# KiCad board sweep-high.kicad_pcb
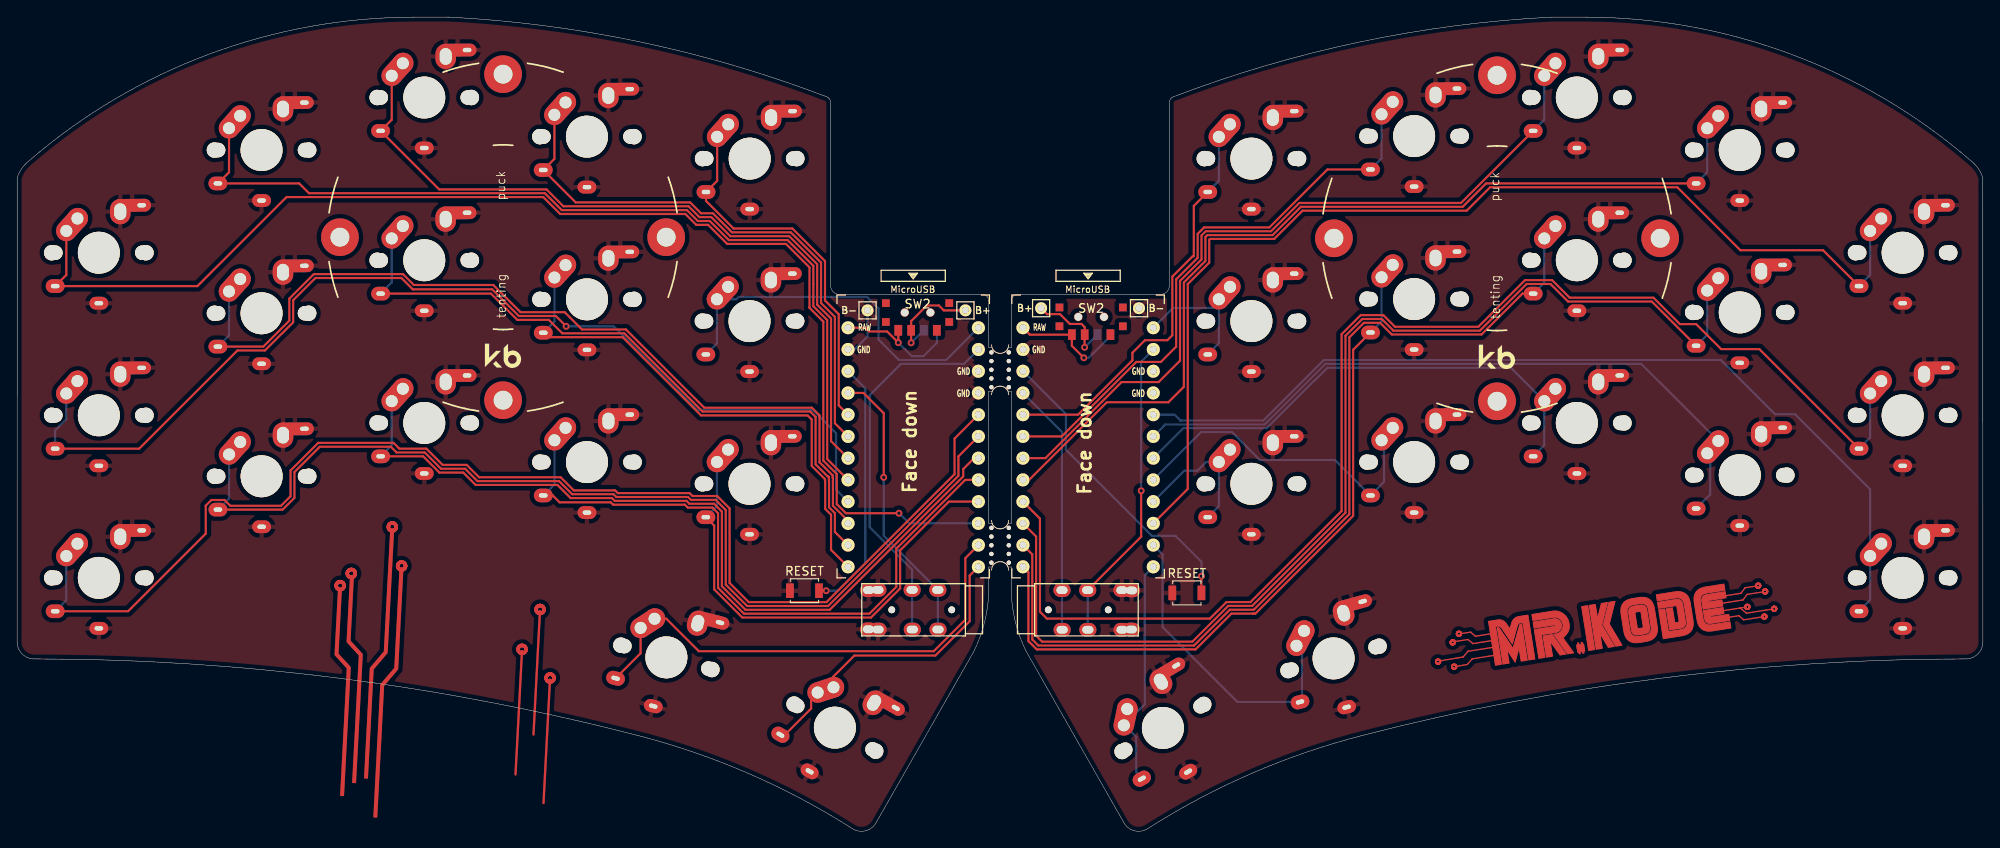
[diagram p0: board, top side]
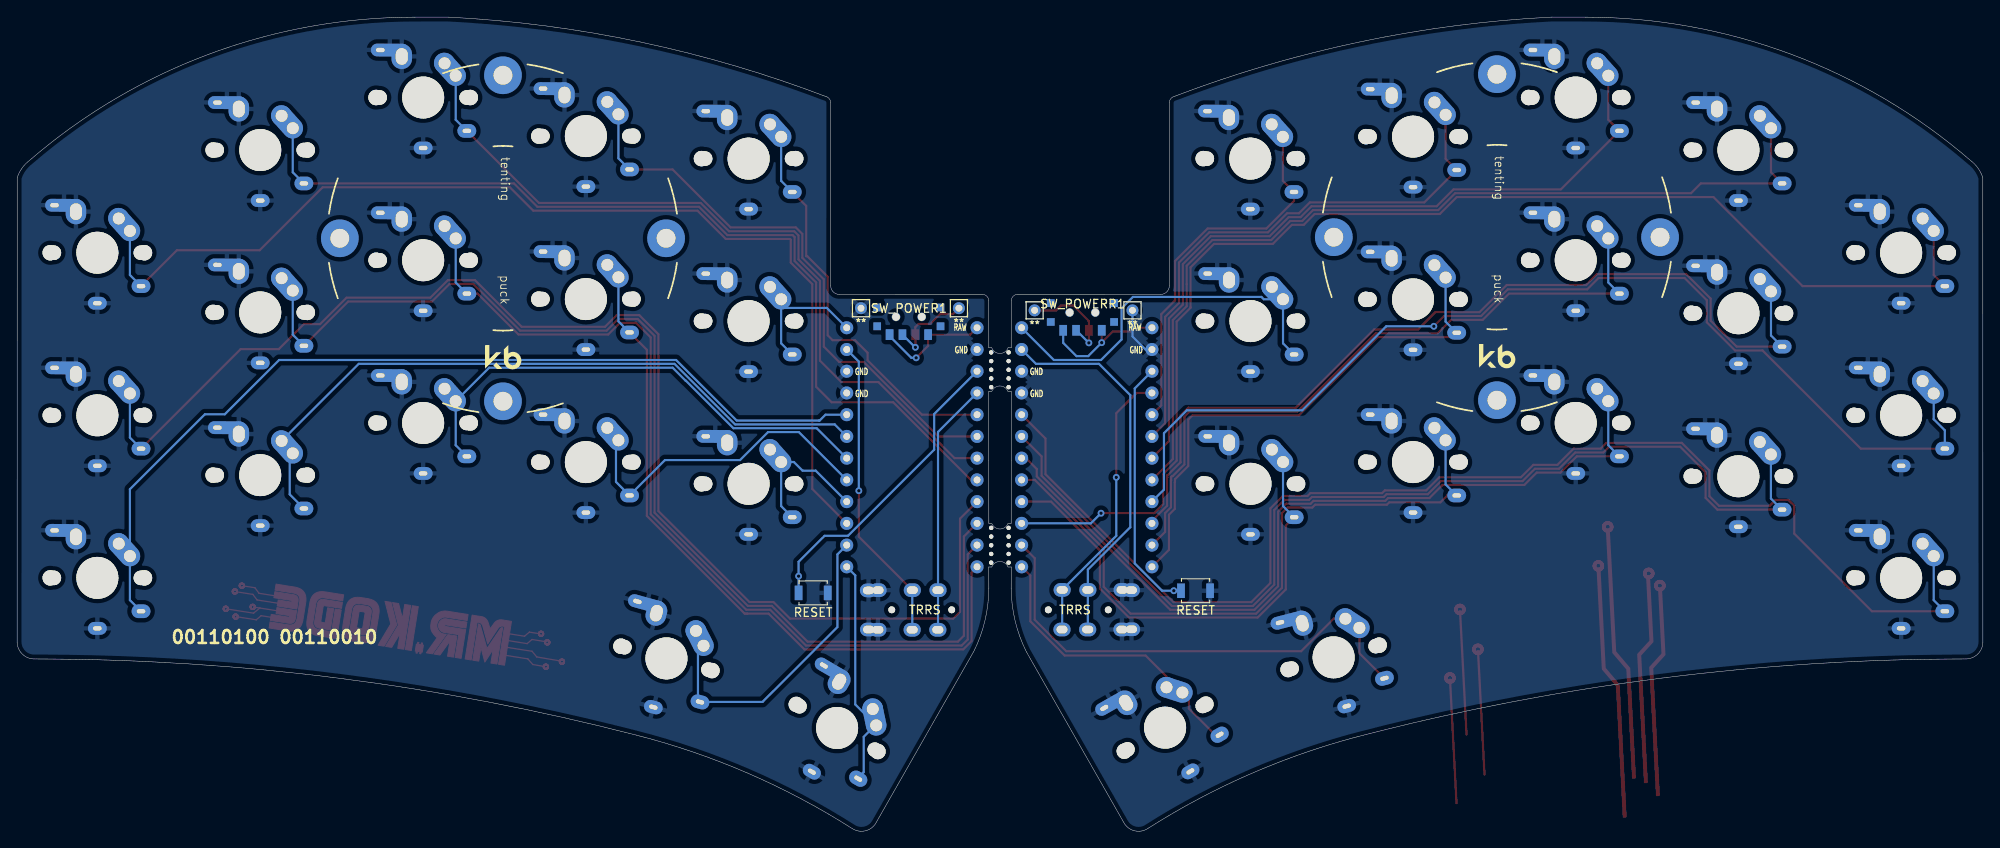
[diagram p1: board, bottom side, seen from below]

Outline 229.54 x 95.11 mm; copper layers: Top, Bottom. Coordinates in mm from the lower left corner of the outline.
Outline path: 0.01,76.33 0,22.03 arc(0.62,20.64) 2.04,20.1 2.31,20.09 arc(37.6,17.84) 72.34,11.18 arc(85.36,6.73) 97.52,0.27 arc(99.01,0) 100.25,0.87 111.7,20.96 arc(113,24.54) 113.47,28.32 113.45,30.84 113.83,30.84 arc(114.78,31.49) 115.74,30.84 116.09,30.84 116.08,28.32 arc(116.53,24.56) 117.82,21 129.29,0.87 arc(130.53,0) 132.02,0.27 arc(144.18,6.73) 157.2,11.19 arc(191.94,17.84) 227.23,20.09 227.51,20.1 arc(228.92,20.64) 229.54,22.03 229.53,76.33 arc(228.98,77.45) 228.11,78.35 arc(207.13,90.78) 183.13,95.1 179.16,95.1 arc(156.7,92.18) 134.97,85.78 arc(134.65,85.5) 134.54,85.1 134.54,63.7 arc(134.25,62.99) 133.54,62.7 116.84,62.7 arc(116.31,62.48) 116.09,61.95 116.08,56.46 115.74,56.46 arc(114.78,55.8) 113.83,56.46 113.47,56.46 113.45,61.95 arc(113.23,62.48) 112.7,62.7 96,62.7 arc(95.29,62.99) 95,63.7 95,85.1 arc(94.89,85.5) 94.57,85.78 arc(72.85,92.18) 50.39,95.11 46.41,95.1 arc(22.41,90.78) 1.43,78.35 arc(0.56,77.45) 0.01,76.33 ; 113.45,51.35 113.45,43.31 113.47,35.94 113.83,35.94 arc(114.78,35.28) 115.74,35.94 116.08,35.94 116.09,43.31 116.09,51.35 115.74,51.35 arc(114.78,52) 113.83,51.35 113.45,51.35
Stack: Top 0.035mm / dielectric 1.51mm FR4 er 4.5 / Bottom 0.035mm

## Placement (name value [footprint] x y rotation side)
B+  MountingHole_Pad  [1pin_conn]  110.73 60.83 0 top
B+#2  MountingHole_Pad  [1pin_conn]  119.57 61.09 0 top
B-  MountingHole_Pad  [1pin_conn]  99.3 60.83 0 top
B-#2  MountingHole_Pad  [1pin_conn]  131 61.09 0 top
G***  LOGO  [ferris_broom]  185.52 23.92 2 top
G***#2  LOGO  [ferris_broom]  49.63 18.84 357 top
J1  AudioJack4dpb  [TRRS-PJ-DPB2]  118.81 25.83 90 top
J2  AudioJack4dpb  [TRRS-PJ-DPB2]  110.73 25.83 270 top
mouse-bite-5mm-slot  VAL**  [mouse-bite-5mm-slot-with-space-for-track]  114.78 53.89 0 top
mouse-bite-5mm-slot#2  VAL**  [mouse-bite-5mm-slot-with-space-for-track]  114.78 33.38 0 top
REF**  Tenting Puck  [Tenting_Puck2]  56.74 69.38 0 top
REF**#2  Tenting Puck  [Tenting_Puck2]  172.81 69.26 0 top
RSW1  SW_Push  [SW_SPST_B3U-1000P]  91.94 28.07 0 top
RSW1#2  SW_Push  [SW_SPST_B3U-1000P]  91.94 28.07 0 bottom
RSW2  SW_Push  [SW_SPST_B3U-1000P]  136.59 27.81 0 top
RSW2#2  SW_Push  [SW_SPST_B3U-1000P]  136.59 27.81 0 bottom
SW2  SW_Push  [keyswitch_cherrymx_alps_choc12_slots_1u]  9.54 67.57 0 top
SW2#2  SW_SPDT  [SPDT_C128955r]  105.14 60.58 0 top
SW2#3  SW_SPDT  [SPDT_C128955r]  125.41 60.07 0 top
SW2_r1  SW_Push  [keyswitch_cherrymx_alps_choc12_slots_1u]  220.17 67.57 0 top
SW3  SW_Push  [keyswitch_cherrymx_alps_choc12_slots_1u]  28.54 79.57 0 top
SW3_r1  SW_Push  [keyswitch_cherrymx_alps_choc12_slots_1u]  201.16 79.57 0 top
SW4  SW_Push  [keyswitch_cherrymx_alps_choc12_slots_1u]  47.54 85.71 0 top
SW4_r1  SW_Push  [keyswitch_cherrymx_alps_choc12_slots_1u]  182.13 85.71 0 top
SW5  SW_Push  [keyswitch_cherrymx_alps_choc12_slots_1u]  66.54 81.14 0 top
SW5_r1  SW_Push  [keyswitch_cherrymx_alps_choc12_slots_1u]  163.13 81.2 0 top
SW6  SW_Push  [keyswitch_cherrymx_alps_choc12_slots_1u]  85.54 78.57 0 top
SW6_r1  SW_Push  [keyswitch_cherrymx_alps_choc12_slots_1u]  144.13 78.57 0 top
SW7_r1  SW_Push  [keyswitch_cherrymx_alps_choc12_slots_1u]  220.17 48.57 0 top
SW8  SW_Push  [keyswitch_cherrymx_alps_choc12_slots_1u]  9.54 48.57 0 top
SW8_r1  SW_Push  [keyswitch_cherrymx_alps_choc12_slots_1u]  201.16 60.59 0 top
SW9  SW_Push  [keyswitch_cherrymx_alps_choc12_slots_1u]  28.54 60.49 0 top
SW9_r1  SW_Push  [keyswitch_cherrymx_alps_choc12_slots_1u]  182.13 66.69 0 top
SW10  SW_Push  [keyswitch_cherrymx_alps_choc12_slots_1u]  47.54 66.69 0 top
SW11  SW_Push  [keyswitch_cherrymx_alps_choc12_slots_1u]  66.54 62.12 0 top
SW11_r1  SW_Push  [keyswitch_cherrymx_alps_choc12_slots_1u]  163.13 62.15 0 top
SW12  SW_Push  [keyswitch_cherrymx_alps_choc12_slots_1u]  85.52 59.58 0 top
SW12_r1  SW_Push  [keyswitch_cherrymx_alps_choc12_slots_1u]  144.13 59.58 0 top
SW13_r1  SW_Push  [keyswitch_cherrymx_alps_choc12_slots_1u]  220.17 29.57 0 top
SW14  SW_Push  [keyswitch_cherrymx_alps_choc12_slots_1u]  9.54 29.57 0 top
SW15  SW_Push  [keyswitch_cherrymx_alps_choc12_slots_1u]  28.55 41.44 0 top
SW15_r1  SW_Push  [keyswitch_cherrymx_alps_choc12_slots_1u]  182.13 47.67 0 top
SW16  SW_Push  [keyswitch_cherrymx_alps_choc12_slots_1u]  47.54 47.67 0 top
SW16_r1  SW_Push  [keyswitch_cherrymx_alps_choc12_slots_1u]  163.13 43.1 0 top
SW17  SW_Push  [keyswitch_cherrymx_alps_choc12_slots_1u]  66.54 43.1 0 top
SW17_r1  SW_Push  [keyswitch_cherrymx_alps_choc12_slots_1u]  144.13 40.56 0 top
SW18  SW_Push  [keyswitch_cherrymx_alps_choc12_slots_1u]  85.52 40.56 0 top
SW18_r1  SW_Push  [keyswitch_cherrymx_alps_choc12_slots_1u]  201.16 41.58 0 top
SW20  SW_Push  [keyswitch_cherrymx_alps_choc12_slots_1u]  95.49 12.06 330 top
SW20_r1  SW_Push  [keyswitch_cherrymx_alps_choc12_slots_1u]  133.79 12.03 30 top
SW21  SW_Push  [keyswitch_cherrymx_alps_choc12_slots_1u]  75.81 20.28 345 top
SW21_r1  SW_Push  [keyswitch_cherrymx_alps_choc12_slots_1u#2]  153.72 20.16 15 top
SW_POWER1  SW_SPDT  [SPDT_C128955]  125.41 60.07 180 bottom
SW_POWERR1  SW_SPDT  [SPDT_C128955]  105.14 60.58 180 bottom
U1  ProMicro-kbd  [ProMicro_v3_min]  104.64 44.32 0 top
U2  ProMicro-kbd  [ProMicro_v3_min]  125.06 44.32 0 top

## Library data of the parts
J1 = -: Field4: Ring1; Field5: Ring2; Field6: Tip; Field7: Sleeve
J2 = -: Field4: Ring1; Field5: Sleeve; Field6: Ring2; Field7: Tip

## Footprints (pads in the part's own frame, mm; a bottom-side part is the same pattern mirrored in y, then rotated)
1pin_conn
  round 1.397 hole 0.813: 1(0,0)
keyswitch_cherrymx_alps_choc12_slots_1u
  round 1.8 hole 1.8 unplated: (-5.5,0) (5.5,0)
  round 1.7 hole 1.7 unplated: (-5.08,0) (5.08,0)
  round 4.9 hole 4.9 unplated: (0,0)
  oval 2.2x1.6 hole 1x0.5: 1(-5.1,-3.9)
  oval 2.4x4.4 hole 1.4 rot 138: 1(-3.8,2.55)
  round 2.4 hole 1.4: 1(-2.5,4)
  oval 2.2x1.5 hole 1x0.5: 2(0,-5.9)
  oval 2.4x2.95 hole 1.4x1.95: 2(2.5,4.8)
  oval 4.4x1.5 hole 1x0.5 rot 0.5: 2(5,5.55)
keyswitch_cherrymx_alps_choc12_slots_1u#2
  round 1.8 hole 1.8 unplated: (-5.5,0) (5.5,0)
  round 1.7 hole 1.7 unplated: (-5.08,0) (5.08,0)
  round 4.9 hole 4.9 unplated: (0,0)
  oval 2.2x1.6 hole 1x0.5: 1(-5.1,-3.9)
  oval 2.4x4.4 hole 1.4 rot 138: 1(-3.8,2.55)
  round 2.4 hole 1.4: 1(-2.5,4)
  oval 2.2x1.5 hole 1x0.5: 2(0,-5.9)
  oval 2.4x2.95 hole 1.4x1.95: 2(2.5,4.8)
  oval 4.4x1.5 hole 1x0.5 rot 0.5: 2(5,5.55)
mouse-bite-5mm-slot-with-space-for-track
  round 0.5 hole 0.5 unplated: (-1.016,2.032) (-1.016,1.016) (-1.016,0) (-1.016,-1.016) (-1.016,-2.032) (1.016,2.032) (1.016,1.016) (1.016,0) (1.016,-1.016) (1.016,-2.032)
ProMicro_v3_min
  round 1.524 hole 0.813: 1(7.611,14.478) 2(7.611,11.938) 3(7.611,9.398) 4(7.611,6.858) 5(7.611,4.318) 6(7.611,1.778) 7(7.611,-0.762) 8(7.611,-3.302) 9(7.611,-5.842) 10(7.611,-8.382) 11(7.611,-10.922) 12(7.611,-13.462) 13(-7.609,-13.462) 14(-7.609,-10.922) 15(-7.609,-8.382) 16(-7.609,-5.842) 17(-7.609,-3.302) 18(-7.609,-0.762) 19(-7.609,1.778) 20(-7.609,4.318) 21(-7.609,6.858) 22(-7.609,9.398) 23(-7.609,11.938) 24(-7.609,14.478)
SPDT_C128955
  round 1 hole 0.9 unplated: (-1.5,0) (1.5,0)
  rect 0.9x0.9 smd: 0(-3.7,-1.1) 0(-3.7,1.1) 0(3.7,-1.1) 0(3.7,1.1)
  rect 0.9x1.25 smd: 1(2.25,-2.075) 2(-0.75,-2.075) 3(-2.25,-2.075)
SPDT_C128955r
  rect 0.9x0.9 smd: 0(-3.7,1.1) 0(-3.7,-1.1) 0(3.7,1.1) 0(3.7,-1.1)
  rect 0.9x1.25 smd: 1(2.25,-2.075) 2(-0.75,-2.075) 3(-2.25,-2.075)
SW_SPST_B3U-1000P
  rect 0.9x1.7 smd: 1(-1.7,0) 2(1.7,0)
Tenting_Puck2
  round 4.4 hole 2.2: 1(-19.05,0) 1(0,19.05) 1(0,-19.05) 1(19.05,0)
TRRS-PJ-DPB2
  round 0.8 hole 0.8 unplated: (0,-1.6) (0,-8.6)
  oval 1.6x2 hole 0.9x1.3: R1(-2.33,-6.22) R1(2.3,-6.2) R2(-2.33,-3.22) R2(2.3,-3.2) S(-2.3,-11.3) S(2.27,-11.32) T(-2.33,-10.22) T(2.3,-10.2)

## Nets
gnd: B-.1 B-#2.1 J1.S J1.T J2.S J2.T RSW1.1 RSW1#2.1 RSW2.1 RSW2#2.1 SW2.2 SW2_r1.2 SW3.2 SW3_r1.2 SW4.2 SW4_r1.2 SW5.2 SW5_r1.2 SW6.2 SW6_r1.2 SW7_r1.2 SW8.2 SW8_r1.2 SW9.2 SW9_r1.2 SW10.2 SW11.2 SW11_r1.2 SW12.2 SW12_r1.2 SW13_r1.2 SW14.2 SW15.2 SW15_r1.2 SW16.2 SW16_r1.2 SW17.2 SW17_r1.2 SW18.2 SW18_r1.2 SW20.2 SW20_r1.2 SW21.2 SW21_r1.2 U1.3 U1.4 U1.23 U2.3 U2.4 U2.23
vcc: J1.R2 J2.R2 U1.21 U2.21
BT+: B+#2.1 SW2#3.2 SW_POWER1.2
BT+_r: B+.1 SW2#2.2 SW_POWERR1.2
raw: SW2#2.3 SW2#3.3 SW_POWER1.3 SW_POWERR1.3 U1.24 U2.24
reset: RSW1.2 RSW1#2.2 U1.22
reset_r: RSW2.2 RSW2#2.2 U2.22
Switch1: SW2.1 U1.10
Switch1_r: SW2_r1.1 U2.10
Switch2: SW3.1 U1.17
Switch2_r: SW3_r1.1 U2.17
Switch3: SW4.1 U1.18
Switch3_r: SW4_r1.1 U2.18
Switch4: SW5.1 U1.19
Switch4_r: SW5_r1.1 U2.19
Switch5: SW6.1 U1.20
Switch5_r: SW6_r1.1 U2.20
Switch6: SW8.1 U1.16
Switch6_r: SW7_r1.1 U2.16
Switch7: SW9.1 U1.15
Switch7_r: SW8_r1.1 U2.15
Switch8: SW10.1 U1.14
Switch8_r: SW9_r1.1 U2.14
Switch9: SW11.1 U1.13
Switch9_r: SW11_r1.1 U2.13
Switch10: SW12.1 U1.1
Switch10_r: SW12_r1.1 U2.1
Switch11: SW14.1 U1.5
Switch11_r: SW13_r1.1 U2.5
Switch12: SW15.1 U1.6
Switch12_r: SW18_r1.1 U2.6
Switch13: SW16.1 U1.7
Switch13_r: SW15_r1.1 U2.7
Switch14: SW17.1 U1.8
Switch14_r: SW16_r1.1 U2.8
Switch15: SW18.1 U1.9
Switch15_r: SW17_r1.1 U2.9
Switch16: SW21.1 U1.11
Switch16_r: SW21_r1.1 U2.11
Switch17: SW20.1 U1.12
Switch17_r: SW20_r1.1 U2.12
Switch18: J2.R1 U1.2
Switch18_r: J1.R1 U2.2
Net-(SW_POWER1-Pad1): SW_POWER1.1
Net-(SW_POWERR1-Pad1): SW_POWERR1.1

Pads without a net: REF** 1; REF**#2 1; SW2#2 0 1; SW2#3 0 1; SW_POWER1 0; SW_POWERR1 0

## Via types
v1: diameter 0.8, hole 0.4, Top to Bottom, 10 vias

## Routing (per net, layer and track width the routed paths; a pad name or vN(x,y) marks a point on that pad's centre or on a via; arc(x,y) is an arc through that point)
gnd: length 6
  Bottom w0.25: U1.23 97.78,56.26 99.3,57.78 B-.1
vcc: length 62.7
  Top w0.25: 122.01,23.52 J1.R2 ; U1.21 98.82,51.18 101.19,48.81 v1(101.19,41.32)
  Bottom w0.25: J1.R2 122.01,23.52 J1.R2 122.01,46.62 U2.21 ; J2.R2 107.51,23.55 J2.R2 101.19,34.48 v1(101.19,41.32)
BT+: length 10.5
  Top w0.25: B+#2.1 120.26,60.4 121.77,60.4 122.92,59.25 124.29,59.25 124.66,58.87 124.66,58 124.65,57.98 v1(124.65,56.51)
  Bottom w0.25: 126.16,58 124.68,56.51 v1(124.65,56.51)
BT+_r: length 12
  Top w0.25: v1(104.39,57.03) SW2#2.2 104.39,59.57 106.22,61.4 107.63,61.4 108.2,60.83 B+.1
  Bottom w0.25: SW_POWERR1.2 105.86,58.5 v1(104.39,57.03)
raw: length 29
  Top w0.25: U2.24 118.26,58 123.16,58 123.16,56.69 v1(124.56,55.29) ; U1.24 99.04,58.8 99.48,58.36 101.59,58.36 v1(102.89,57.06) SW2#2.3
  Bottom w0.25: SW_POWERR1.3 107.39,57.04 105.83,55.48 104.47,55.48 v1(102.89,57.06) ; v1(124.56,55.29) 125.13,55.29 127.66,57.82 127.66,58
reset: length 30.9
  Top w0.25: RSW1.2 v1(94.48,28.07)
  Bottom w0.25: RSW1.2 v1(94.48,28.07) 95.84,28.07 99.03,31.26 99.03,51.71 U1.22
reset_r: length 38.1
  Top w0.25: v1(138.29,29.77) RSW2.2
  Bottom w0.25: U2.22 122.46,48.71 122.46,44.54 132.52,34.49 135.25,34.49 138.29,31.45 v1(138.29,29.77) RSW2.2
Switch1: length 149.2
  Top w0.25: SW2.1 5.74,64.97 SW2.1 21.06,63.67 31.46,74.07 61.44,74.07 63.41,72.1 78.03,72.1 79.3,70.83 80.69,70.83 82.91,68.6 89.78,68.6 92.52,65.86 92.52,61.13 94.14,59.51 94.14,43.27 95.71,41.7 95.71,38.19 96.77,37.13 v1(102.97,37.13)
  Bottom w0.25: U1.10 104.16,35.94 v1(102.97,37.13)
Switch1_r: length 126
  Top w0.25: SW2_r1.1 210.88,67.86 201.22,67.86 193.86,75.22 172,75.22 169.27,72.48 150.09,72.48 146.79,69.18 139.29,69.18 139.2,69.09 139.2,66.42 136.69,63.91 136.69,39.96 U2.10
  Bottom w0.25: SW2_r1.1 216.37,64.97 SW2_r1.1
Switch2: length 107.2
  Top w0.25: U1.17 94.59,43.46 94.59,59.7 92.97,61.32 92.97,66.05 89.97,69.05 83.1,69.05 80.87,71.28 79.49,71.28 78.22,72.55 63.6,72.55 61.62,74.52 34.08,74.52 32.93,75.67 SW3.1 24.74,76.97 SW3.1
Switch2_r: length 108.7
  Top w0.25: U2.17 118.17,41.02 127.24,50.09 134.43,50.09 136.24,51.91 136.24,64.09 138.75,66.6 138.75,69.4 138.98,69.63 146.6,69.63 149.91,72.93 168.79,72.93 171.53,75.67 SW3_r1.1
  Bottom w0.25: SW3_r1.1 197.36,76.97 SW3_r1.1
Switch3: length 88.6
  Top w0.25: SW4.1 43.74,83.11 SW4.1 49.28,74.97 61.81,74.97 63.78,73 78.4,73 79.67,71.73 81.06,71.73 83.29,69.5 90.15,69.5 93.42,66.23 93.42,61.51 95.04,59.89 95.04,45.55 U1.18
Switch3_r: length 89.5
  Top w0.25: U2.18 120.07,43.56 128.96,52.45 133.29,52.45 135.79,54.96 135.79,64.28 138.3,66.79 138.3,69.59 138.8,70.08 146.42,70.08 149.72,73.38 168.61,73.38 SW4_r1.1
  Bottom w0.25: SW4_r1.1 178.33,83.11 SW4_r1.1
Switch4: length 65.5
  Top w0.25: U1.19 95.49,47.64 95.49,60.07 93.87,61.69 93.87,66.42 90.34,69.95 83.47,69.95 81.25,72.18 79.86,72.18 78.59,73.45 65.22,73.45 SW5.1 62.74,78.54 SW5.1
Switch4_r: length 66.7
  Top w0.25: SW5_r1.1 153,77.3 146.23,70.53 138.61,70.53 137.85,69.77 137.85,66.98 135.34,64.46 135.34,56.59 133.56,54.81 130.69,54.81 121.98,46.1 U2.19
  Bottom w0.25: SW5_r1.1 159.33,78.6 SW5_r1.1
Switch5: length 43.9
  Top w0.25: SW6.1 81.74,75.97 SW6.1 80.44,73.62 83.66,70.4 90.53,70.4 94.34,66.59 94.34,61.99 95.94,60.38 95.94,49.73 U1.20
Switch5_r: length 47.3
  Top w0.25: SW6_r1.1 137.4,73.04 137.4,67.16 137.27,67.16 134.89,64.78 134.89,57.92 134.32,57.35 131.7,57.35 130.24,55.88 130.24,54.99 123.88,48.64 U2.20
  Bottom w0.25: SW6_r1.1 140.33,75.97 SW6_r1.1
Switch6: length 124
  Top w0.25: v1(64.11,58.97) 62.91,60.17 58.59,60.17 55.47,63.29 46.2,63.29 44.87,64.62 34.83,64.62 32.23,62.02 32.23,59.44 28.94,56.15 25.72,56.15 14.25,44.67 SW8.1
  Bottom w0.25: SW8.1 4.44,46.81 5.74,48.11 SW8.1 ; v1(64.11,58.97) 69.67,58.97 79.49,49.15 92.95,49.15 95.62,46.48 95.62,39.88 U1.16
Switch6_r: length 154.4
  Top w0.25: SW7_r1.1 203.44,56.3 198.98,56.3 196.06,59.22 194.16,59.22 191.07,62.32 181.29,62.32 179.24,64.37 176.08,64.37 170.62,58.91 160.89,58.91 159.53,60.28 156.89,60.28 154.66,58.05 154.66,37.38 144.03,26.75 141.22,26.75 139.29,24.81 120.24,24.81 119.44,25.61 119.44,36.49 U2.16
  Bottom w0.25: SW7_r1.1 216.37,45.97 SW7_r1.1
Switch7: length 103.1
  Top w0.25: SW9.1 28.75,56.59 31.78,59.63 31.78,62.2 34.65,65.07 45.06,65.07 46.33,63.8 55.6,63.8 58.78,60.62 63.93,60.62 65.95,58.6 71.09,58.6 80.23,49.46 92.8,49.46 93.69,48.57 93.69,43.08 93.7,43.08 95.24,41.54 95.24,41.27 95.26,41.25 95.26,38 97.03,36.24 U1.15
  Bottom w0.25: SW9.1 24.74,57.89 SW9.1
Switch7_r: length 131.7
  Top w0.25: U2.15 118.99,34.4 118.99,22.81 119.68,22.11 137.24,22.11 141.41,26.29 141.41,26.3 144.21,26.3 155.11,37.19 155.11,57.86 157.08,59.83 159.35,59.83 160.71,58.46 170.81,58.46 176.26,63.92 179.05,63.92 181.1,61.87 190.88,61.87 SW8_r1.1
  Bottom w0.25: SW8_r1.1 197.36,57.99 SW8_r1.1
Switch8: length 80.3
  Top w0.25: SW10.1 55.34,62.79 58.4,59.72 62.09,59.72 63.66,58.15 70.9,58.15 80.04,49.01 92.62,49.01 93.24,48.38 93.24,42.83 94.6,41.47 94.67,41.47 94.79,41.35 94.79,40.96 94.81,40.94 94.81,37.82 95.49,37.13 95.49,34.94 U1.14
  Bottom w0.25: SW10.1 43.74,64.09 SW10.1
Switch8_r: length 107.5
  Top w0.25: SW9_r1.1 175.77,62.79 171,58.01 160.52,58.01 159.16,59.38 157.26,59.38 155.56,57.67 155.56,37.01 144.4,25.85 141.61,25.85 137.42,21.66 119.24,21.66 118.54,22.37 118.54,32.31 U2.14
  Bottom w0.25: SW9_r1.1 178.33,64.09 SW9_r1.1
Switch9: length 61.5
  Top w0.25: SW11.1 61.96,57.7 70.71,57.7 79.86,48.56 92.3,48.56 92.79,48.07 92.79,42.65 94.34,41.1 94.34,40.78 94.36,40.76 94.36,37.63 95.04,36.95 95.04,32.85 U1.13
  Bottom w0.25: SW11.1 62.74,59.52 SW11.1
Switch9_r: length 83.3
  Top w0.25: 144.59,25.4 144.28,25.4 ; 144.59,25.4 156.01,36.82 156.01,56.23 SW11_r1.1 ; 144.59,25.4 144.28,25.4 ; 144.28,25.4 141.79,25.4 137.61,21.21 119.06,21.21 118.08,22.19 118.08,30.23 U2.13
  Bottom w0.25: SW11_r1.1 159.33,59.55 SW11_r1.1
Switch10: length 44.4
  Top w0.25: SW12.1 80.38,55.68
  Bottom w0.25: SW12.1 81.72,56.98 SW12.1 83.96,62.13 84.24,62.4 99.25,62.4 100.58,61.07 100.58,57.43 102.97,55.03 108.48,55.03 U1.1
Switch10_r: length 15.6
  Bottom w0.25: SW12_r1.1 140.33,56.98 SW12_r1.1 ; U2.1 134.99,61.12 140.32,61.12
Switch11: length 152.8
  Top w0.25: 5.73,32.36 5.73,31.11 ; U1.5 109.46,45.86 109.46,41.69 94.51,26.74 85.43,26.74 83.2,28.97 83.2,37.69 81.75,39.14 78.87,39.14 78.53,39.47 70.15,39.47 69.83,39.8 65,39.8 63.47,41.33 53.94,41.33 52.49,42.78 49.68,42.78 47.79,44.67 44.63,44.67 43.95,45.35 35.16,45.35 31.93,42.12 31.93,39.11 30.81,37.99 24.89,37.99 24.22,38.67 22.68,38.67 22.02,38.01 22.02,34.74 12.96,25.67 SW14.1
  Bottom w0.25: SW14.1 5.74,26.97 SW14.1
Switch11_r: length 108
  Bottom w0.25: SW13_r1.1 216.37,26.97 SW13_r1.1 216.37,39.93 207.62,48.68 205.3,48.68 198.95,55.03 152.6,55.03 145.52,47.96 135.9,47.96 135.83,47.96 135.15,48.64 U2.5
Switch12: length 122.9
  Top w0.25: SW15.1 31,37.54 32.38,38.93 32.38,41.93 35.34,44.9 43.64,44.9 44.31,44.22 47.6,44.22 49.5,42.33 52.31,42.33 53.75,40.88 63.28,40.88 64.81,39.35 69.64,39.35 69.96,39.02 78.35,39.02 78.68,38.69 81.56,38.69 82.75,37.5 82.75,28.78 85.24,26.29 94.7,26.29 109.91,41.5 109.91,43.77 U1.6
  Bottom w0.25: SW15.1 24.75,38.84 SW15.1
Switch12_r: length 80.5
  Bottom w0.25: SW18_r1.1 197.71,43.77 197.71,39.34 SW18_r1.1 ; U2.6 134.08,47.51 145.71,47.51 152.78,54.58 189.65,54.58 SW18_r1.1
Switch13: length 97.2
  Top w0.25: SW16.1 47.41,43.77 49.31,41.88 52.09,41.88 53.54,40.43 63.09,40.43 64.63,38.9 69.45,38.9 69.78,38.57 78.16,38.57 78.49,38.24 81.37,38.24 82.3,37.31 82.3,28.59 85.06,25.84 94.88,25.84 110.48,41.43 110.48,42.29 111.75,43.56 U1.7
  Bottom w0.25: SW16.1 43.74,45.07 SW16.1
Switch13_r: length 58.6
  Bottom w0.25: SW15_r1.1 178.33,45.07 SW15_r1.1 174.42,54.13 153,54.13 151.47,52.61 151.44,52.61 145.89,47.06 136.17,47.06 U2.7
Switch14: length 77.7
  Top w0.25: SW17.1 62.54,39.2 63.35,38.4 69.32,38.4 69.59,38.12 77.97,38.12 78.31,37.79 81.19,37.79 81.85,37.13 81.85,28.41 84.87,25.38 99.52,25.38 102.66,28.52 102.66,32.97 102.87,33.19 110.71,41.02 U1.8
  Bottom w0.25: SW17.1 62.74,40.5 SW17.1
Switch14_r: length 38
  Bottom w0.25: U2.8 138.26,46.61 141.85,46.61 145.13,43.34 153.89,43.34 SW16_r1.1 159.61,40.79 159.61,45.36 SW16_r1.1
Switch15: length 56.3
  Top w0.25: SW18.1 81.4,35.69 81.4,28.22 84.68,24.93 99.71,24.93 103.11,28.33 103.11,32.79 108.8,38.48 U1.9
  Bottom w0.25: SW18.1 81.72,37.96 SW18.1
Switch15_r: length 16.6
  Bottom w0.25: SW17_r1.1 140.33,37.96 SW17_r1.1 138.84,43.11 137.83,42.1 136.29,42.1 U2.9
Switch16: length 55.8
  Top w0.25: SW21.1 72.8,20.76 SW21.1 ; SW21.1 75.81,24.79 79.6,21 107.04,21 110.72,24.68 110.72,31.87 U1.11
Switch16_r: length 36.6
  Bottom w0.25: SW21_r1.1 150.04,20.99 150.04,15.31 SW21_r1.1 142.5,15.07 133.76,23.82 133.76,32.31 U2.11
Switch17: length 33.7
  Top w0.25: SW20.1 92.72,15.41 92.72,14.3 89.66,11.24 SW20.1 ; U1.12 111.23,29.84 111.23,24.5 107.22,20.49 97.76,20.49 95.33,18.05 SW20.1
Switch17_r: length 27.1
  Bottom w0.25: 131.44,6.1 130.69,6.86 130.69,10.99 129.34,12.34 ; U2.12 131.67,29.86 131.67,14.78 SW20_r1.1
Switch18: length 44.4
  Bottom w0.25: J2.R1 104.51,23.55 J2.R1 104.51,30.53 99.56,35.49 99.56,50.93 103.21,54.58 110.57,54.58 U1.2
Switch18_r: length 36
  Top w0.25: 125.01,23.52 J1.R1 ; J1.R1 131.26,34.38 v1(131.26,39.75)
  Bottom w0.25: J1.R1 125.01,23.52 J1.R1 ; v1(131.26,39.75) 131.26,54.85 U2.2

## Copper pours and planes (outline as drawn; the poured copper is in the pictures)
gnd on Top: -7.52,106.47 236.32,106.47 236.32,-12.91 -7.52,-12.91
gnd on Bottom: -10.06,109.01 238.86,109.01 238.86,-15.45 -10.06,-15.45

## Text on the board
B.Silkscreen: 00110100 00110010
F.Silkscreen: Face down
